# Allegro board 6089-119-RevA_41.brd (continued)
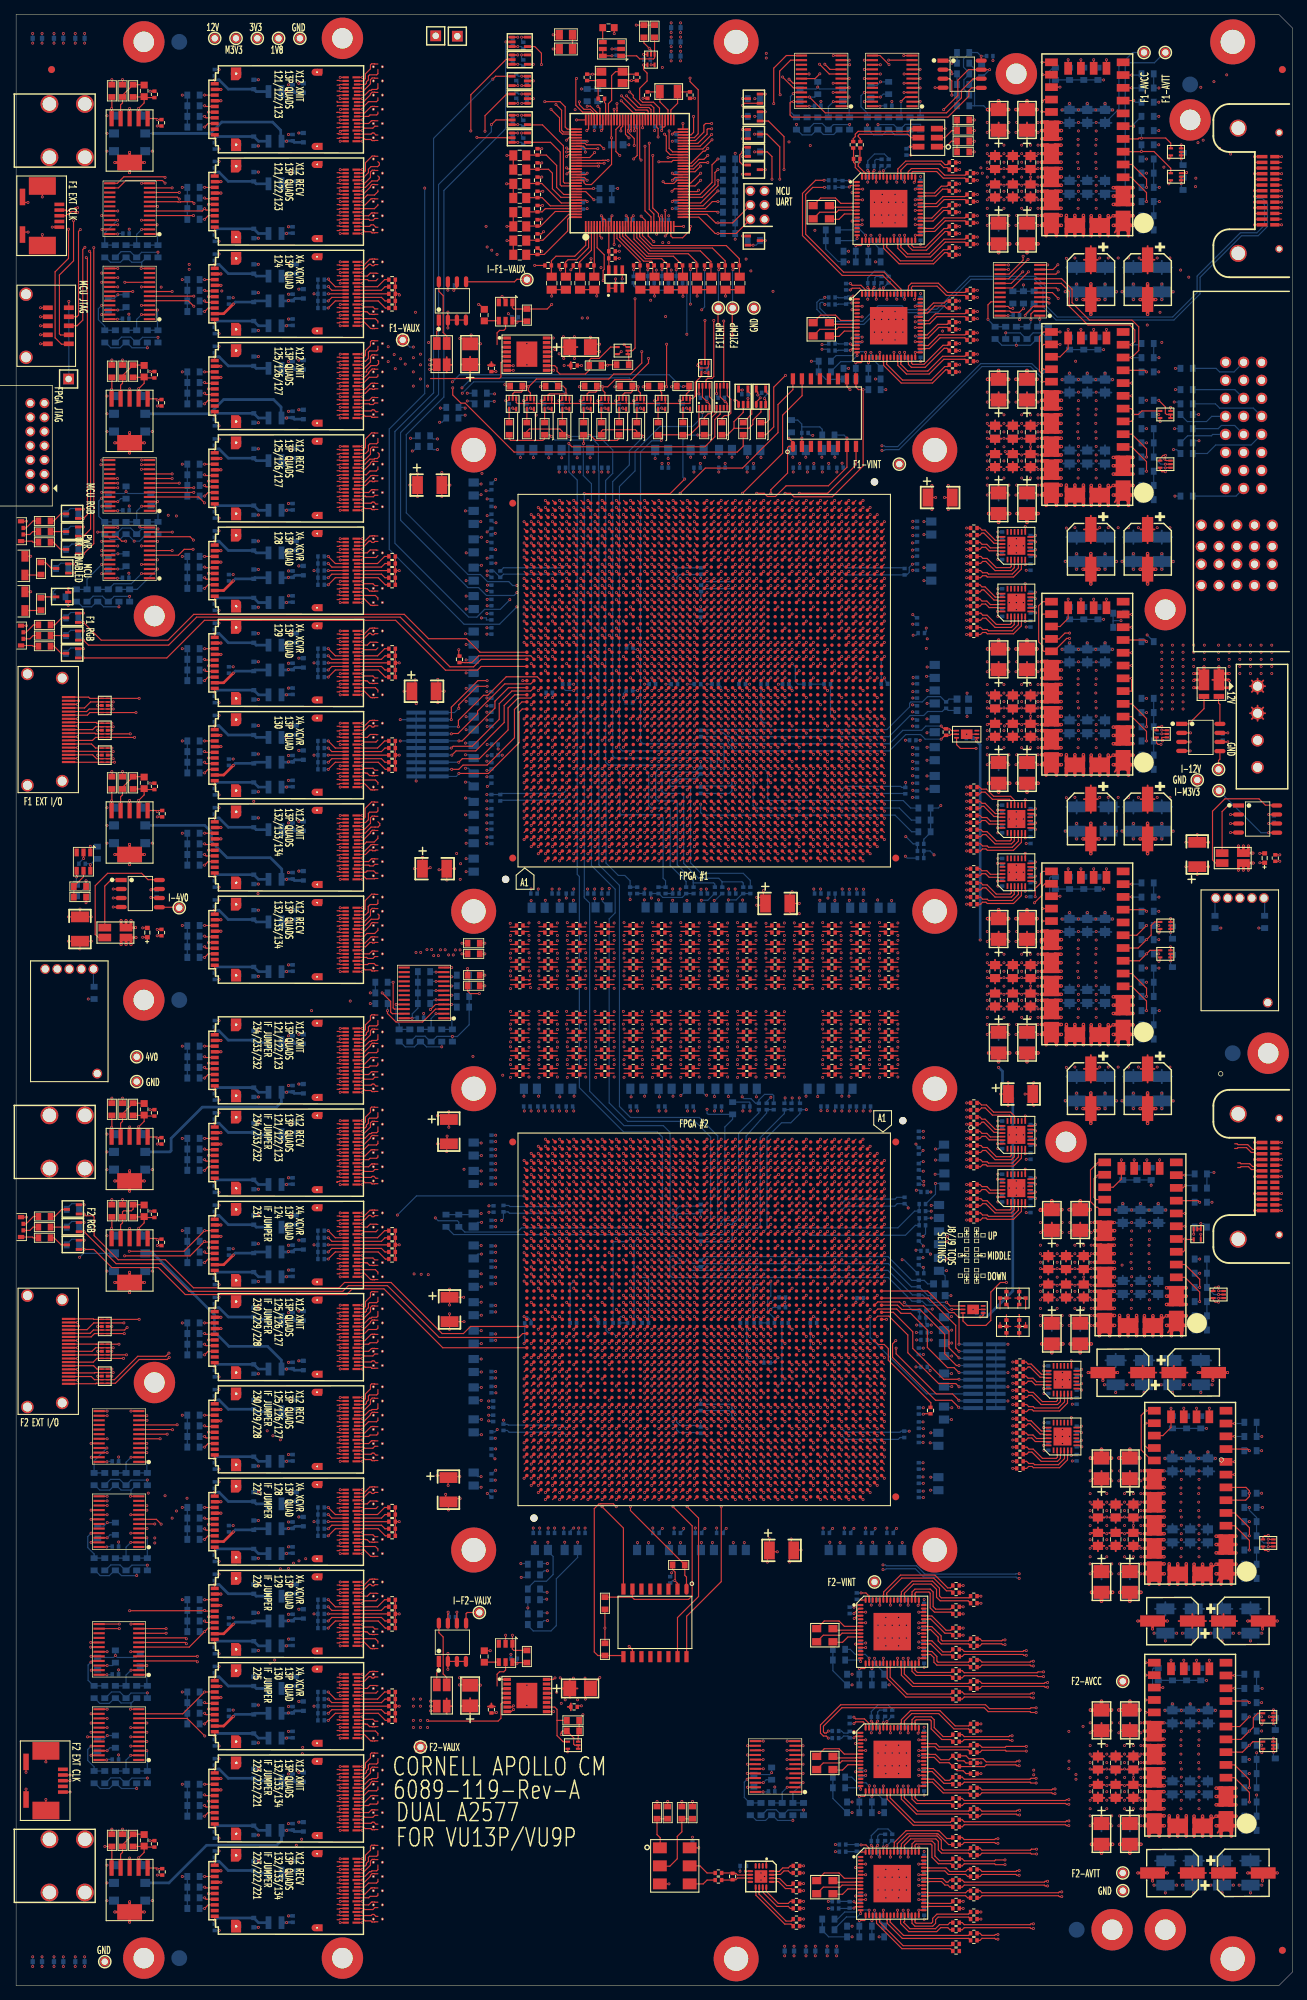
[diagram p0: board, top side]
## Placement (name value [footprint] x y rotation side) (continued)
C661  1 UF  [CAPC_EIA0402]  143 161.4 270 bottom
C662  1 UF  [CAPC_EIA0402]  143 153.9 270 bottom
C663  100 UF  [CAPC_EIA0805]  143 142.9 270 bottom
C664  100 UF  [CAPC_EIA0805]  143 138.9 90 bottom
C665  1 UF  [CAPC_EIA0402]  143 116.9 270 bottom
C666  1 UF  [CAPC_EIA0402]  143 109.4 270 bottom
C667  330 UF  [CAPTANT_3528_P1]  142.5 262.9 90 bottom
C668  330 UF  [CAPTANT_3528_P1]  142.5 246.9 270 bottom
C669  330 UF  [CAPTANT_3528_P1]  142.5 224.9 90 bottom
C670  330 UF  [CAPTANT_3528_P1]  142.5 208.9 270 bottom
C671  330 UF  [CAPTANT_3528_P1]  142.5 186.9 90 bottom
C672  330 UF  [CAPTANT_3528_P1]  142.5 170.9 270 bottom
C673  220 UF  [CAPTANT_3528_P1]  142.5 148.9 90 bottom
C674  220 UF  [CAPTANT_3528_P1]  142.5 132.9 270 bottom
C675  0.1 UF  [CAPC_EIA0402]  141 235.4 0 bottom
C676  100 UF  [CAPC_EIA0805]  140.5 256.9 270 bottom
C677  100 UF  [CAPC_EIA0805]  140.5 252.9 90 bottom
C678  100 UF  [CAPC_EIA0805]  140.5 218.9 270 bottom
C679  100 UF  [CAPC_EIA0805]  140.5 214.9 90 bottom
C680  100 UF  [CAPC_EIA0805]  140.5 180.9 270 bottom
C681  100 UF  [CAPC_EIA0805]  140.5 176.9 90 bottom
C682  100 UF  [CAPC_EIA0805]  140.5 142.9 270 bottom
C683  100 UF  [CAPC_EIA0805]  140.5 138.9 90 bottom
C684  1 UF  [CAPC_EIA0402]  139 204.4 90 bottom
C685  1 UF  [CAPC_EIA0402]  139 201.4 270 bottom
C686  1 UF  [CAPC_EIA0402]  139 196.4 90 bottom
C687  1 UF  [CAPC_EIA0402]  139 193.4 270 bottom
C688  1 UF  [CAPC_EIA0402]  139 165.9 90 bottom
C689  1 UF  [CAPC_EIA0402]  139 162.9 270 bottom
C690  1 UF  [CAPC_EIA0402]  139 158.4 90 bottom
C691  1 UF  [CAPC_EIA0402]  139 155.4 270 bottom
C692  1 UF  [CAPC_EIA0402]  139 121.4 90 bottom
C693  1 UF  [CAPC_EIA0402]  139 118.4 270 bottom
C694  1 UF  [CAPC_EIA0402]  139 113.9 90 bottom
C695  1 UF  [CAPC_EIA0402]  139 110.9 270 bottom
C696  330 UF  [CAPTANT_3528_P1]  138.5 262.9 90 bottom
C697  330 UF  [CAPTANT_3528_P1]  138.5 246.9 270 bottom
C698  330 UF  [CAPTANT_3528_P1]  138.5 224.9 90 bottom
C699  330 UF  [CAPTANT_3528_P1]  138.5 208.9 270 bottom
C700  330 UF  [CAPTANT_3528_P1]  138.5 186.9 90 bottom
C701  330 UF  [CAPTANT_3528_P1]  138.5 170.9 270 bottom
C702  220 UF  [CAPTANT_3528_P1]  138.5 148.9 90 bottom
C703  220 UF  [CAPTANT_3528_P1]  138.5 132.9 270 bottom
C704  100 UF  [CAPC_EIA0805]  138 256.9 270 bottom
C705  100 UF  [CAPC_EIA0805]  138 252.9 90 bottom
C706  100 UF  [CAPC_EIA0805]  138 218.9 270 bottom
C707  100 UF  [CAPC_EIA0805]  138 214.9 90 bottom
C708  100 UF  [CAPC_EIA0805]  138 180.9 270 bottom
C709  100 UF  [CAPC_EIA0805]  138 176.9 90 bottom
C710  100 UF  [CAPC_EIA0805]  138 142.9 270 bottom
C711  100 UF  [CAPC_EIA0805]  138 138.9 90 bottom
C712  0.1 UF  [CAPC_EIA0402]  137.25 271.9 0 bottom
C713  0.1 UF  [CAPC_EIA0402]  135.85 94.8 180 bottom
C714  0.1 UF  [CAPC_EIA0402]  134.4 175.8 180 bottom
C715  0.47 UF  [CAPC_EIA0402]  131.1 180.45 270 bottom
C716  47 UF  [CAPC_EIA0805]  130.85 113.55 270 bottom
C717  47 UF  [CAPC_EIA0805]  130.8 117.6 270 bottom
C718  47 UF  [CAPC_EIA0805]  130.8 93.3 270 bottom
C719  47 UF  [CAPC_EIA0805]  130.8 89.65 270 bottom
C720  47 UF  [CAPC_EIA0805]  130.8 85.35 270 bottom
C721  47 UF  [CAPC_EIA0805]  130.8 80.7 270 bottom
C722  100 UF  [CAPC_EIA0805]  130.1 109.1 270 bottom
C723  47 UF  [CAPC_EIA0805]  130.1 105.4 270 bottom
C724  100 UF  [CAPC_EIA0805]  130.1 101.65 270 bottom
C725  47 UF  [CAPC_EIA0805]  130 77 270 bottom
C726  47 UF  [CAPC_EIA0805]  130 70.75 270 bottom
C727  47 UF  [CAPC_EIA0805]  129.5 185.2 270 bottom
C728  100 UF  [CAPC_EIA0805]  129.5 181.6 270 bottom
C729  47 UF  [CAPC_EIA0805]  129.5 177.55 270 bottom
C730  47 UF  [CAPC_EIA0805]  129.5 173.6 270 bottom
C731  47 UF  [CAPC_EIA0805]  129.5 169.55 270 bottom
C732  47 UF  [CAPC_EIA0805]  129 205.4 270 bottom
C733  47 UF  [CAPC_EIA0805]  129 198.9 270 bottom
C734  10 UF  [CAPC_EIA0402]  128 111.85 0 bottom
C735  4.7 UF  [CAPC_EIA0402]  128 103.55 180 bottom
C736  4.7 UF  [CAPC_EIA0402]  128 93.1 180 bottom
C737  10 UF  [CAPC_EIA0402]  128 92.05 0 bottom
C738  4.7 UF  [CAPC_EIA0402]  128 91 180 bottom
C739  4.7 UF  [CAPC_EIA0402]  128 87.2 180 bottom
C740  1 UF  [CAPC_EIA0402]  128 53.4 90 bottom
C741  1 UF  [CAPC_EIA0402]  128 50.9 270 bottom
C742  1 UF  [CAPC_EIA0402]  128 47.9 90 bottom
C743  1 UF  [CAPC_EIA0402]  128 45.9 270 bottom
C744  1 UF  [CAPC_EIA0402]  128 35.4 90 bottom
C745  1 UF  [CAPC_EIA0402]  128 32.9 270 bottom
C746  1 UF  [CAPC_EIA0402]  128 29.9 90 bottom
C747  1 UF  [CAPC_EIA0402]  128 27.9 270 bottom
C748  1 UF  [CAPC_EIA0402]  128 17.9 90 bottom
C749  1 UF  [CAPC_EIA0402]  128 15.4 270 bottom
C750  1 UF  [CAPC_EIA0402]  128 12.4 90 bottom
C751  1 UF  [CAPC_EIA0402]  128 10.4 270 bottom
C752  4.7 UF  [CAPC_EIA0402]  127.6 190.6 180 bottom
C753  1 UF  [CAPC_EIA0402]  127.5 253.9 90 bottom
C754  1 UF  [CAPC_EIA0402]  127.5 251.4 270 bottom
C755  1 UF  [CAPC_EIA0402]  127.5 248.4 90 bottom
C756  1 UF  [CAPC_EIA0402]  127.5 246.4 270 bottom
C757  1 UF  [CAPC_EIA0402]  127.5 237.4 90 bottom
C758  1 UF  [CAPC_EIA0402]  127.5 234.9 270 bottom
C759  1 UF  [CAPC_EIA0402]  127.5 231.9 90 bottom
C760  1 UF  [CAPC_EIA0402]  127.5 229.9 270 bottom
C761  0.1 UF  [CAPC_EIA0402]  127.25 119.95 270 bottom
C762  4.7 UF  [CAPC_EIA0402]  127.25 117.65 270 bottom
C763  0.1 UF  [CAPC_EIA0402]  127.25 115.4 270 bottom
C764  4.7 UF  [CAPC_EIA0402]  127.25 113.4 270 bottom
C765  10 UF  [CAPC_EIA0402]  127.25 105.4 270 bottom
C766  10 UF  [CAPC_EIA0402]  127.25 102.05 270 bottom
C767  0.47 UF  [CAPC_EIA0402]  127.25 98.95 90 bottom
C768  470 PF  [CAPC_EIA0402]  127.25 96.9 270 bottom
C769  10 UF  [CAPC_EIA0402]  127.25 89.4 270 bottom
C770  10 UF  [CAPC_EIA0402]  127.25 81 270 bottom
C771  10 UF  [CAPC_EIA0402]  127.25 79 270 bottom
C772  0.1 UF  [CAPC_EIA0402]  127.25 77 270 bottom
C773  4.7 UF  [CAPC_EIA0402]  127.25 73.25 270 bottom
C774  0.1 UF  [CAPC_EIA0402]  127.25 71.25 270 bottom
C775  4.7 UF  [CAPC_EIA0402]  127.25 69.25 270 bottom
C776  4.7 UF  [CAPC_EIA0402]  127 205.9 270 bottom
C777  0.1 UF  [CAPC_EIA0402]  127 203.9 270 bottom
C778  4.7 UF  [CAPC_EIA0402]  127 201.9 270 bottom
C779  0.1 UF  [CAPC_EIA0402]  127 199.9 270 bottom
C780  4.7 UF  [CAPC_EIA0402]  127 192.3 90 bottom
C781  10 UF  [CAPC_EIA0402]  127 183.9 270 bottom
C782  10 UF  [CAPC_EIA0402]  127 181.9 270 bottom
C783  10 UF  [CAPC_EIA0402]  127 179.9 270 bottom
C784  4.7 UF  [CAPC_EIA0402]  127 177.9 90 bottom
C785  0.1 UF  [CAPC_EIA0402]  127 173.9 270 bottom
C786  4.7 UF  [CAPC_EIA0402]  127 171.9 270 bottom
C787  0.1 UF  [CAPC_EIA0402]  127 169.9 270 bottom
C788  4.7 UF  [CAPC_EIA0402]  127 167.9 270 bottom
C789  4.7 UF  [CAPC_EIA0402]  126.4 175.5 180 bottom
C790  0.1 UF  [CAPC_EIA0402]  125.5 258.4 270 bottom
C791  1 UF  [CAPC_EIA0402]  125.5 45.4 180 bottom
C792  1 UF  [CAPC_EIA0402]  125.5 27.4 180 bottom
C793  1 UF  [CAPC_EIA0402]  125.5 9.9 180 bottom
C794  1 UF  [CAPC_EIA0402]  125 245.9 180 bottom
C795  1 UF  [CAPC_EIA0402]  125 229.4 180 bottom
C796  1 UF  [CAPC_EIA0402]  125 54.4 180 bottom
C797  1 UF  [CAPC_EIA0402]  125 36.4 180 bottom
C798  1 UF  [CAPC_EIA0402]  125 18.9 180 bottom
C799  1 UF  [CAPC_EIA0402]  124.5 254.9 180 bottom
C800  1 UF  [CAPC_EIA0402]  124.5 238.4 180 bottom
C801  47 UF  [CAPC_EIA0805]  124 61.4 180 bottom
C802  0.1 UF  [CAPC_EIA0402]  123.5 38.4 90 bottom
C803  0.1 UF  [CAPC_EIA0402]  123.5 20.9 90 bottom
C804  0.1 UF  [CAPC_EIA0402]  123.2 63.8 180 bottom
C805  0.1 UF  [CAPC_EIA0402]  123 264.9 0 bottom
C806  0.1 UF  [CAPC_EIA0402]  123 256.9 90 bottom
C807  0.1 UF  [CAPC_EIA0402]  123 240.4 90 bottom
C808  47 UF  [CAPC_EIA0805]  122.5 151.9 180 bottom
C809  0.1 UF  [CAPC_EIA0402]  122.5 38.4 90 bottom
C810  0.1 UF  [CAPC_EIA0402]  122.5 20.9 90 bottom
C811  0.1 UF  [CAPC_EIA0402]  122 256.9 90 bottom
C812  0.1 UF  [CAPC_EIA0402]  122 240.4 90 bottom
C813  1 UF  [CAPC_EIA0402]  121.5 45.4 180 bottom
C814  1 UF  [CAPC_EIA0402]  121.5 27.4 180 bottom
C815  1 UF  [CAPC_EIA0402]  121.5 9.9 180 bottom
C816  1 UF  [CAPC_EIA0402]  121 245.9 180 bottom
C817  1 UF  [CAPC_EIA0402]  121 229.4 180 bottom
C818  1 UF  [CAPC_EIA0402]  121 54.4 180 bottom
C819  1 UF  [CAPC_EIA0402]  121 36.4 180 bottom
C820  1 UF  [CAPC_EIA0402]  121 18.9 180 bottom
C821  1 UF  [CAPC_EIA0402]  120.5 254.9 180 bottom
C822  1 UF  [CAPC_EIA0402]  120.5 238.4 180 bottom
C823  4.7 UF  [CAPC_EIA0402]  120.2 63.8 180 bottom
C824  0.1 UF  [CAPC_EIA0402]  120 123.9 180 bottom
C825  47 UF  [CAPC_EIA0805]  119.95 61.4 180 bottom
C826  0.1 UF  [CAPC_EIA0402]  119 153.9 180 bottom
C827  1 UF  [CAPC_EIA0402]  119 47.9 90 bottom
C828  1 UF  [CAPC_EIA0402]  119 29.9 90 bottom
C829  1 UF  [CAPC_EIA0402]  119 12.4 90 bottom
C830  1 UF  [CAPC_EIA0402]  118.5 248.4 90 bottom
C831  1 UF  [CAPC_EIA0402]  118.5 231.9 90 bottom
C832  47 UF  [CAPC_EIA0805]  118.5 151.9 180 bottom
C833  4.7 UF  [CAPC_EIA0402]  118 123.9 180 bottom
C834  0.1 UF  [CAPC_EIA0402]  117.2 63.8 180 bottom
C835  4.7 UF  [CAPC_EIA0402]  117 153.9 180 bottom
C836  47 UF  [CAPC_EIA0805]  117 126.4 180 bottom
C837  0.1 UF  [CAPC_EIA0402]  116.5 19.9 0 bottom
C838  0.1 UF  [CAPC_EIA0402]  116.5 18.9 0 bottom
C839  0.1 UF  [CAPC_EIA0402]  116.15 213.9 180 bottom
C840  0.1 UF  [CAPC_EIA0402]  116 123.9 180 bottom
C841  0.1 UF  [CAPC_EIA0402]  115.5 35.9 0 bottom
C842  0.1 UF  [CAPC_EIA0402]  115.5 34.9 0 bottom
C843  0.1 UF  [CAPC_EIA0402]  115.5 11.9 0 bottom
C844  0.1 UF  [CAPC_EIA0402]  115.5 10.9 0 bottom
C845  47 UF  [CAPC_EIA0805]  115.45 61.4 180 bottom
C846  0.1 UF  [CAPC_EIA0402]  115 254.4 0 bottom
C847  0.1 UF  [CAPC_EIA0402]  115 253.4 0 bottom
C848  0.1 UF  [CAPC_EIA0402]  115 237.9 0 bottom
C849  0.1 UF  [CAPC_EIA0402]  115 236.9 0 bottom
C850  0.1 UF  [CAPC_EIA0402]  115 231.4 0 bottom
C851  0.1 UF  [CAPC_EIA0402]  115 230.4 0 bottom
C852  0.1 UF  [CAPC_EIA0402]  115 153.9 180 bottom
C853  22 UF  [CAPTANT_0603_P1]  115 4.9 0 bottom
C854  47 UF  [CAPC_EIA0805]  114.5 216.4 180 bottom
C855  47 UF  [CAPC_EIA0805]  114.5 151.9 180 bottom
C856  4.7 UF  [CAPC_EIA0402]  114.2 63.8 180 bottom
C857  4.7 UF  [CAPC_EIA0402]  114.1 213.9 180 bottom
C858  4.7 UF  [CAPC_EIA0402]  113.9 123.9 180 bottom
C859  0.1 UF  [CAPC_EIA0402]  113 264.9 0 bottom
C860  4.7 UF  [CAPC_EIA0402]  113 153.9 180 bottom
C861  47 UF  [CAPC_EIA0805]  112.5 126.4 180 bottom
C862  0.1 UF  [CAPC_EIA0402]  112 213.9 180 bottom
C863  22 UF  [CAPTANT_0603_P1]  112 4.9 0 bottom
C864  0.1 UF  [CAPC_EIA0402]  111.2 218.8 0 bottom
C865  47 UF  [CAPC_EIA0805]  110.4 216.4 180 bottom
C866  4.7 UF  [CAPC_EIA0402]  110 213.9 180 bottom
C867  22 UF  [CAPTANT_0603_P1]  109 4.9 0 bottom
C868  0.1 UF  [CAPC_EIA0402]  106.5 27.4 0 bottom
C869  0.1 UF  [CAPC_EIA0402]  105.55 224.45 0 bottom
C870  47 UF  [CAPC_EIA0805]  104 216.4 180 bottom
C871  10 UF  [CAPC_EIA0402]  103.5 213.9 180 bottom
C872  47 UF  [CAPC_EIA0805]  103.5 126.4 180 bottom
C873  10 UF  [CAPC_EIA0402]  103 123.9 180 bottom
C874  0.1 UF  [CAPC_EIA0402]  102.75 224.25 0 bottom
C875  1 UF  [CAPC_EIA0402]  102.5 16.9 180 bottom
C876  47 UF  [CAPC_EIA0805]  101.95 61.4 180 bottom
C877  100 UF  [CAPC_EIA0805]  101.5 151.9 180 bottom
C878  10 UF  [CAPC_EIA0402]  101 153.9 180 bottom
C879  100 UF  [CAPC_EIA0805]  100 216.4 180 bottom
C880  10 UF  [CAPC_EIA0402]  99.5 213.9 180 bottom
C881  100 UF  [CAPC_EIA0805]  99.5 126.4 180 bottom
C882  0.1 UF  [CAPC_EIA0402]  99.4 223.75 0 bottom
C883  10 UF  [CAPC_EIA0402]  99.2 63.8 180 bottom
C884  10 UF  [CAPC_EIA0402]  99 123.9 180 bottom
C885  47 UF  [CAPC_EIA0805]  97.5 151.9 180 bottom
C886  47 UF  [CAPC_EIA0805]  97.45 61.4 180 bottom
C887  0.1 UF  [CAPC_EIA0402]  97 227.85 180 bottom
C888  10 UF  [CAPC_EIA0402]  97 153.9 180 bottom
C889  0.1 UF  [CAPC_EIA0402]  96.9 223.75 0 bottom
C890  0.1 UF  [CAPC_EIA0402]  96.55 176.45 270 bottom
C891  4.7 UF  [CAPC_EIA0402]  96.5 193.3 270 bottom
C892  0.1 UF  [CAPC_EIA0402]  96.5 101.75 90 bottom
C893  10 UF  [CAPC_EIA0402]  96.2 63.8 180 bottom
C894  100 UF  [CAPC_EIA0805]  96 216.4 180 bottom
C895  10 UF  [CAPC_EIA0402]  96 213.9 180 bottom
C896  100 UF  [CAPC_EIA0805]  95.5 126.4 180 bottom
C897  10 UF  [CAPC_EIA0402]  95 123.9 180 bottom
C898  0.1 UF  [CAPC_EIA0402]  93.95 222.45 90 bottom
C899  100 UF  [CAPC_EIA0805]  93.65 151.9 180 bottom
C900  10 UF  [CAPC_EIA0402]  93.2 63.8 180 bottom
C901  0.1 UF  [CAPC_EIA0402]  93.1 260.4 270 bottom
C902  0.1 UF  [CAPC_EIA0402]  93.1 255 90 bottom
C903  0.1 UF  [CAPC_EIA0402]  93.1 250.9 270 bottom
C904  22 UF  [CAPTANT_0603_P1]  93 275.9 0 bottom
C905  22 UF  [CAPTANT_0603_P1]  93 273.9 0 bottom
C906  22 UF  [CAPTANT_0603_P1]  93 271.9 0 bottom
C907  10 UF  [CAPC_EIA0402]  93 153.9 180 bottom
C908  47 UF  [CAPC_EIA0805]  92.95 61.4 180 bottom
C909  0.1 UF  [CAPC_EIA0402]  92.2 57.2 90 bottom
C910  0.1 UF  [CAPC_EIA0402]  91.5 248.8 0 bottom
C911  10 UF  [CAPC_EIA0402]  91.5 213.9 180 bottom
C912  100 UF  [CAPC_EIA0805]  91.5 126.4 180 bottom
C913  47 UF  [CAPC_EIA0805]  91 216.4 180 bottom
C914  10 UF  [CAPC_EIA0402]  91 123.9 180 bottom
C915  0.1 UF  [CAPC_EIA0402]  90.5 262 180 bottom
C916  0.1 UF  [CAPC_EIA0402]  90.45 222.45 90 bottom
C917  10 UF  [CAPC_EIA0402]  90.2 63.8 180 bottom
C918  47 UF  [CAPC_EIA0805]  89.65 151.95 180 bottom
C919  10 UF  [CAPC_EIA0402]  89 153.9 180 bottom
C920  0.1 UF  [CAPC_EIA0402]  88.95 271.4 180 bottom
C921  47 UF  [CAPC_EIA0805]  88.45 61.4 180 bottom
C922  100 UF  [CAPC_EIA0805]  87.5 126.4 180 bottom
C923  0.1 UF  [CAPC_EIA0402]  87.45 222.45 90 bottom
C924  0.1 UF  [CAPC_EIA0402]  87 262 180 bottom
C925  10 UF  [CAPC_EIA0402]  87 123.9 180 bottom
C926  0.1 UF  [CAPC_EIA0402]  95.35 19.9 90 bottom
C927  0.1 UF  [CAPC_EIA0402]  86.5 248.8 0 bottom
C928  0.1 UF  [CAPC_EIA0402]  84.95 239.85 180 bottom
C929  0.1 UF  [CAPC_EIA0402]  84.95 222.45 90 bottom
C930  3.3 UF  [CAPC_EIA0603]  84.75 259.4 0 bottom
C931  0.1 UF  [CAPC_EIA0402]  84.65 272.45 90 bottom
C932  0.1 UF  [CAPC_EIA0402]  83.2 248.8 0 bottom
C933  4.7 UF  [CAPC_EIA0402]  83 213.9 180 bottom
C934  4.7 UF  [CAPC_EIA0402]  83 153.9 180 bottom
C935  47 UF  [CAPC_EIA0805]  82.6 151.95 180 bottom
C936  0.1 UF  [CAPC_EIA0402]  82.45 222.45 90 bottom
C937  0.1 UF  [CAPC_EIA0402]  82 262 180 bottom
C938  0.1 UF  [CAPC_EIA0402]  81 213.9 180 bottom
C939  0.1 UF  [CAPC_EIA0402]  81 153.9 180 bottom
C940  47 UF  [CAPC_EIA0805]  80 216.4 180 bottom
C941  0.1 UF  [CAPC_EIA0402]  79.95 222.45 90 bottom
C942  0.1 UF  [CAPC_EIA0402]  79.9 259.4 270 bottom
C943  0.1 UF  [CAPC_EIA0402]  79.9 254.9 270 bottom
C944  0.1 UF  [CAPC_EIA0402]  79.9 250.8 270 bottom
C945  0.1 UF  [CAPC_EIA0402]  79.75 63.8 180 bottom
C946  4.7 UF  [CAPC_EIA0402]  79 213.9 180 bottom
C947  47 UF  [CAPC_EIA0805]  78.25 61.4 180 bottom
C948  4.7 UF  [CAPC_EIA0402]  78 153.9 180 bottom
C949  0.1 UF  [CAPC_EIA0402]  78 123.9 180 bottom
C950  4.7 UF  [CAPC_EIA0402]  77.65 63.8 180 bottom
C951  47 UF  [CAPC_EIA0805]  77.55 151.9 180 bottom
C952  47 UF  [CAPC_EIA0805]  77.5 126.4 180 bottom
C953  0.1 UF  [CAPC_EIA0402]  77 213.9 180 bottom
C954  0.1 UF  [CAPC_EIA0402]  76.95 222.45 90 bottom
C955  47 UF  [CAPC_EIA0805]  76 216.4 180 bottom
C956  0.1 UF  [CAPC_EIA0402]  76 153.9 180 bottom
C957  4.7 UF  [CAPC_EIA0402]  76 123.9 180 bottom
C958  0.1 UF  [CAPC_EIA0402]  75.45 63.8 180 bottom
C959  0.1 UF  [CAPC_EIA0402]  74.45 222.45 90 bottom
C960  47 UF  [CAPC_EIA0805]  74.05 61.4 180 bottom
C961  0.1 UF  [CAPC_EIA0402]  74 123.9 180 bottom
C962  100 UF  [CAPC_EIA0805]  73.6 151.9 180 bottom
C963  4.7 UF  [CAPC_EIA0402]  73.35 63.8 180 bottom
C964  10 UF  [CAPC_EIA0402]  73 153.9 0 bottom
C965  47 UF  [CAPC_EIA0805]  72.5 126.4 180 bottom
C966  0.1 UF  [CAPC_EIA0402]  72 268.4 90 bottom
C967  0.1 UF  [CAPC_EIA0402]  72 265.9 90 bottom
C968  100 UF  [CAPC_EIA0805]  72 216.4 180 bottom
C969  4.7 UF  [CAPC_EIA0402]  72 123.9 180 bottom
C970  0.1 UF  [CAPC_EIA0402]  71.95 222.45 90 bottom
C971  0.1 UF  [CAPC_EIA0402]  71.5 273.4 270 bottom
C972  0.1 UF  [CAPC_EIA0402]  71.5 270.9 270 bottom
C973  0.1 UF  [CAPC_EIA0402]  71.5 262.4 270 bottom
C974  0.1 UF  [CAPC_EIA0402]  71.5 259.9 270 bottom
C975  0.1 UF  [CAPC_EIA0402]  70.5 268.9 90 bottom
C976  0.1 UF  [CAPC_EIA0402]  70.5 266.4 90 bottom
C977  0.1 UF  [CAPC_EIA0402]  70.35 235.1 180 bottom
C978  0.1 UF  [CAPC_EIA0402]  70.2 46.1 180 bottom
C979  0.1 UF  [CAPC_EIA0402]  70 273.9 270 bottom
C980  0.1 UF  [CAPC_EIA0402]  70 271.4 270 bottom
C981  0.1 UF  [CAPC_EIA0402]  70 262.9 270 bottom
C982  0.1 UF  [CAPC_EIA0402]  70 260.4 270 bottom
C983  0.1 UF  [CAPC_EIA0402]  69.45 222.45 90 bottom
C984  4.7 UF  [CAPC_EIA0402]  67.5 174.9 0 bottom
C985  4.7 UF  [CAPC_EIA0402]  67.5 173.4 0 bottom
C986  10 UF  [CAPC_EIA0402]  67.3 109.45 270 bottom
C987  10 UF  [CAPC_EIA0402]  67.25 81.95 270 bottom
C988  0.1 UF  [CAPC_EIA0402]  67.25 79.95 270 bottom
C989  10 UF  [CAPC_EIA0402]  67 211.25 270 bottom
C990  10 UF  [CAPC_EIA0402]  67 208.9 270 bottom
C991  10 UF  [CAPC_EIA0402]  67 206.9 270 bottom
C992  4.7 UF  [CAPC_EIA0402]  67 204.9 270 bottom
C993  0.1 UF  [CAPC_EIA0402]  67 202.9 270 bottom
C994  4.7 UF  [CAPC_EIA0402]  67 200.9 270 bottom
C995  0.1 UF  [CAPC_EIA0402]  67 198.9 270 bottom
C996  4.7 UF  [CAPC_EIA0402]  67 196.9 270 bottom
C997  10 UF  [CAPC_EIA0402]  67 194.9 270 bottom
C998  10 UF  [CAPC_EIA0402]  67 192.9 270 bottom
C999  10 UF  [CAPC_EIA0402]  67 190.9 270 bottom
C1000  10 UF  [CAPC_EIA0402]  67 181.9 270 bottom
C1001  10 UF  [CAPC_EIA0402]  67 179.9 270 bottom
C1002  10 UF  [CAPC_EIA0402]  67 177.9 270 bottom
C1003  10 UF  [CAPC_EIA0402]  67 171.9 270 bottom
C1004  10 UF  [CAPC_EIA0402]  67 169.9 270 bottom
C1005  0.1 UF  [CAPC_EIA0402]  67 167.4 270 bottom
C1006  4.7 UF  [CAPC_EIA0402]  67 165.4 270 bottom
C1007  0.1 UF  [CAPC_EIA0402]  67 163.4 270 bottom
C1008  4.7 UF  [CAPC_EIA0402]  67 161.4 270 bottom
C1009  0.1 UF  [CAPC_EIA0402]  67 119.4 270 bottom
C1010  4.7 UF  [CAPC_EIA0402]  67 117.4 270 bottom
C1011  0.1 UF  [CAPC_EIA0402]  67 115.4 270 bottom
C1012  4.7 UF  [CAPC_EIA0402]  67 113.4 270 bottom
C1013  10 UF  [CAPC_EIA0402]  67 107.4 270 bottom
C1014  4.7 UF  [CAPC_EIA0402]  67 103.8 270 bottom
C1015  4.7 UF  [CAPC_EIA0402]  67 101.7 90 bottom
C1016  10 UF  [CAPC_EIA0402]  67 99.4 270 bottom
C1017  10 UF  [CAPC_EIA0402]  67 95.4 270 bottom
C1018  10 UF  [CAPC_EIA0402]  67 91.4 270 bottom
C1019  4.7 UF  [CAPC_EIA0402]  67 86.1 270 bottom
C1020  4.7 UF  [CAPC_EIA0402]  67 84 90 bottom
C1021  4.7 UF  [CAPC_EIA0402]  67 77.6 270 bottom
C1022  10 UF  [CAPC_EIA0402]  67 75.2 270 bottom
C1023  0.1 UF  [CAPC_EIA0402]  67 71.7 270 bottom
C1024  4.7 UF  [CAPC_EIA0402]  67 69.3 270 bottom
C1025  47 UF  [CAPC_EIA0805]  64.5 210.9 90 bottom
C1026  100 UF  [CAPC_EIA0805]  64.5 206.9 270 bottom
C1027  47 UF  [CAPC_EIA0805]  64.5 202.9 270 bottom
C1028  47 UF  [CAPC_EIA0805]  64.5 198.9 270 bottom
C1029  47 UF  [CAPC_EIA0805]  64.5 194.9 270 bottom
C1030  100 UF  [CAPC_EIA0805]  64.5 189.9 270 bottom
C1031  47 UF  [CAPC_EIA0805]  64.5 185.9 270 bottom
C1032  47 UF  [CAPC_EIA0805]  64.5 181.9 270 bottom
C1033  100 UF  [CAPC_EIA0805]  64.5 177.9 270 bottom
C1034  100 UF  [CAPC_EIA0805]  64.5 173.9 270 bottom
C1035  47 UF  [CAPC_EIA0805]  64.5 169.9 270 bottom
C1036  47 UF  [CAPC_EIA0805]  64.5 165.9 270 bottom
C1037  47 UF  [CAPC_EIA0805]  64.5 161.9 270 bottom
C1038  47 UF  [CAPC_EIA0805]  64.5 157.9 270 bottom
C1039  47 UF  [CAPC_EIA0805]  64.5 117.9 270 bottom
C1040  47 UF  [CAPC_EIA0805]  64.5 113.9 270 bottom
C1041  47 UF  [CAPC_EIA0805]  64.5 107.9 270 bottom
C1042  100 UF  [CAPC_EIA0805]  64.5 103.4 270 bottom
C1043  100 UF  [CAPC_EIA0805]  64.5 99.4 270 bottom
C1044  100 UF  [CAPC_EIA0805]  64.5 95.4 270 bottom
C1045  100 UF  [CAPC_EIA0805]  64.5 91.4 270 bottom
C1046  100 UF  [CAPC_EIA0805]  64.5 87.4 270 bottom
C1047  47 UF  [CAPC_EIA0805]  64.5 83.4 270 bottom
C1048  47 UF  [CAPC_EIA0805]  64.5 78.9 270 bottom
C1049  47 UF  [CAPC_EIA0805]  64.5 71.4 270 bottom
C1050  0.1 UF  [CAPC_EIA0402]  61.5 51.95 180 bottom
C1051  0.1 UF  [CAPC_EIA0402]  61.35 239.6 180 bottom
C1052  0.1 UF  [CAPC_EIA0402]  57 136.4 0 bottom
C1053  22 UF  [CAPTANT_0603_P1]  40.5 267.4 90 bottom
C1054  22 UF  [CAPTANT_0603_P1]  40.5 260.4 90 bottom
C1055  22 UF  [CAPTANT_0603_P1]  40.5 238.4 90 bottom
C1056  22 UF  [CAPTANT_0603_P1]  40.5 228.4 90 bottom
C1057  22 UF  [CAPTANT_0603_P1]  40.5 221.4 90 bottom
C1058  22 UF  [CAPTANT_0603_P1]  40.5 199.4 90 bottom
C1059  22 UF  [CAPTANT_0603_P1]  40.5 186.4 90 bottom
C1060  22 UF  [CAPTANT_0603_P1]  40.5 173.4 90 bottom
C1061  22 UF  [CAPTANT_0603_P1]  40.5 163.4 90 bottom
C1062  22 UF  [CAPTANT_0603_P1]  40.5 156.4 90 bottom
C1063  22 UF  [CAPTANT_0603_P1]  40.5 133.4 90 bottom
C1064  22 UF  [CAPTANT_0603_P1]  40.5 126.4 90 bottom
C1065  22 UF  [CAPTANT_0603_P1]  40.5 104.4 90 bottom
C1066  22 UF  [CAPTANT_0603_P1]  40.5 94.4 90 bottom
C1067  22 UF  [CAPTANT_0603_P1]  40.5 87.4 90 bottom
C1068  22 UF  [CAPTANT_0603_P1]  40.5 65.4 90 bottom
C1069  22 UF  [CAPTANT_0603_P1]  40.5 52.4 90 bottom
C1070  22 UF  [CAPTANT_0603_P1]  40.5 39.4 90 bottom
C1071  22 UF  [CAPTANT_0603_P1]  40.5 29.4 90 bottom
C1072  22 UF  [CAPTANT_0603_P1]  40.5 22.4 90 bottom
C1073  22 UF  [CAPTANT_0603_P1]  39.5 254.9 90 bottom
C1074  22 UF  [CAPTANT_0603_P1]  39.5 241.9 90 bottom
C1075  22 UF  [CAPTANT_0603_P1]  39.5 215.9 90 bottom
C1076  22 UF  [CAPTANT_0603_P1]  39.5 202.9 90 bottom
C1077  22 UF  [CAPTANT_0603_P1]  39.5 189.9 90 bottom
C1078  22 UF  [CAPTANT_0603_P1]  39.5 176.9 90 bottom
C1079  22 UF  [CAPTANT_0603_P1]  39.5 150.9 90 bottom
C1080  22 UF  [CAPTANT_0603_P1]  39.5 120.9 90 bottom
C1081  22 UF  [CAPTANT_0603_P1]  39.5 107.9 90 bottom
C1082  22 UF  [CAPTANT_0603_P1]  39.5 81.9 90 bottom
C1083  22 UF  [CAPTANT_0603_P1]  39.5 68.9 90 bottom
C1084  22 UF  [CAPTANT_0603_P1]  39.5 55.9 90 bottom
C1085  22 UF  [CAPTANT_0603_P1]  39.5 42.9 90 bottom
C1086  22 UF  [CAPTANT_0603_P1]  39.5 16.9 90 bottom
C1087  0.1 UF  [CAPC_EIA0402]  39 267.4 90 bottom
C1088  0.1 UF  [CAPC_EIA0402]  39 260.4 90 bottom
C1089  0.1 UF  [CAPC_EIA0402]  39 247.4 90 bottom
C1090  0.1 UF  [CAPC_EIA0402]  39 237.9 90 bottom
C1091  0.1 UF  [CAPC_EIA0402]  39 234.4 90 bottom
C1092  0.1 UF  [CAPC_EIA0402]  39 228.4 90 bottom
C1093  0.1 UF  [CAPC_EIA0402]  39 221.4 90 bottom
C1094  0.1 UF  [CAPC_EIA0402]  39 208.4 90 bottom
C1095  0.1 UF  [CAPC_EIA0402]  39 198.9 90 bottom
C1096  0.1 UF  [CAPC_EIA0402]  39 195.4 90 bottom
C1097  0.1 UF  [CAPC_EIA0402]  39 185.9 90 bottom
C1098  0.1 UF  [CAPC_EIA0402]  39 182.4 90 bottom
C1099  0.1 UF  [CAPC_EIA0402]  39 172.9 90 bottom
C1100  0.1 UF  [CAPC_EIA0402]  39 169.4 90 bottom
C1101  0.1 UF  [CAPC_EIA0402]  39 163.4 90 bottom
C1102  0.1 UF  [CAPC_EIA0402]  39 156.4 90 bottom
C1103  0.1 UF  [CAPC_EIA0402]  39 143.4 90 bottom
C1104  0.1 UF  [CAPC_EIA0402]  39 133.4 90 bottom
C1105  0.1 UF  [CAPC_EIA0402]  39 126.4 90 bottom
C1106  0.1 UF  [CAPC_EIA0402]  39 113.4 90 bottom
C1107  0.1 UF  [CAPC_EIA0402]  39 103.9 90 bottom
C1108  0.1 UF  [CAPC_EIA0402]  39 100.4 90 bottom
C1109  0.1 UF  [CAPC_EIA0402]  39 94.4 90 bottom
C1110  0.1 UF  [CAPC_EIA0402]  39 87.4 90 bottom
C1111  0.1 UF  [CAPC_EIA0402]  39 74.4 90 bottom
C1112  0.1 UF  [CAPC_EIA0402]  39 64.9 90 bottom
C1113  0.1 UF  [CAPC_EIA0402]  39 61.4 90 bottom
C1114  0.1 UF  [CAPC_EIA0402]  39 51.9 90 bottom
C1115  0.1 UF  [CAPC_EIA0402]  39 48.4 90 bottom
C1116  0.1 UF  [CAPC_EIA0402]  39 38.9 90 bottom
C1117  0.1 UF  [CAPC_EIA0402]  39 35.4 90 bottom
C1118  0.1 UF  [CAPC_EIA0402]  39 29.4 90 bottom
C1119  0.1 UF  [CAPC_EIA0402]  39 22.4 90 bottom
C1120  0.1 UF  [CAPC_EIA0402]  39 9.4 90 bottom
C1121  22 UF  [CAPTANT_0603_P1]  33.5 267.9 90 bottom
C1122  22 UF  [CAPTANT_0603_P1]  33.5 259.9 270 bottom
C1123  22 UF  [CAPTANT_0603_P1]  33.5 254.9 90 bottom
C1124  22 UF  [CAPTANT_0603_P1]  33.5 246.9 270 bottom
C1125  22 UF  [CAPTANT_0603_P1]  33.5 241.9 90 bottom
C1126  22 UF  [CAPTANT_0603_P1]  33.5 237.9 90 bottom
C1127  22 UF  [CAPTANT_0603_P1]  33.5 233.9 270 bottom
C1128  22 UF  [CAPTANT_0603_P1]  33.5 228.9 90 bottom
C1129  22 UF  [CAPTANT_0603_P1]  33.5 220.9 270 bottom
C1130  22 UF  [CAPTANT_0603_P1]  33.5 215.9 90 bottom
C1131  22 UF  [CAPTANT_0603_P1]  33.5 207.9 270 bottom
C1132  22 UF  [CAPTANT_0603_P1]  33.5 202.9 90 bottom
C1133  22 UF  [CAPTANT_0603_P1]  33.5 198.9 90 bottom
C1134  22 UF  [CAPTANT_0603_P1]  33.5 194.9 270 bottom
C1135  22 UF  [CAPTANT_0603_P1]  33.5 189.9 90 bottom
C1136  22 UF  [CAPTANT_0603_P1]  33.5 185.9 90 bottom
C1137  22 UF  [CAPTANT_0603_P1]  33.5 181.9 270 bottom
C1138  22 UF  [CAPTANT_0603_P1]  33.5 176.9 90 bottom
C1139  22 UF  [CAPTANT_0603_P1]  33.5 172.9 90 bottom
C1140  22 UF  [CAPTANT_0603_P1]  33.5 168.9 270 bottom
C1141  22 UF  [CAPTANT_0603_P1]  33.5 163.9 90 bottom
C1142  22 UF  [CAPTANT_0603_P1]  33.5 155.9 270 bottom
C1143  22 UF  [CAPTANT_0603_P1]  33.5 150.9 90 bottom
C1144  22 UF  [CAPTANT_0603_P1]  33.5 142.9 270 bottom
C1145  22 UF  [CAPTANT_0603_P1]  33.5 133.9 90 bottom
C1146  22 UF  [CAPTANT_0603_P1]  33.5 125.9 270 bottom